# Altium PCB PCB12_sensor.PcbDoc (continued)
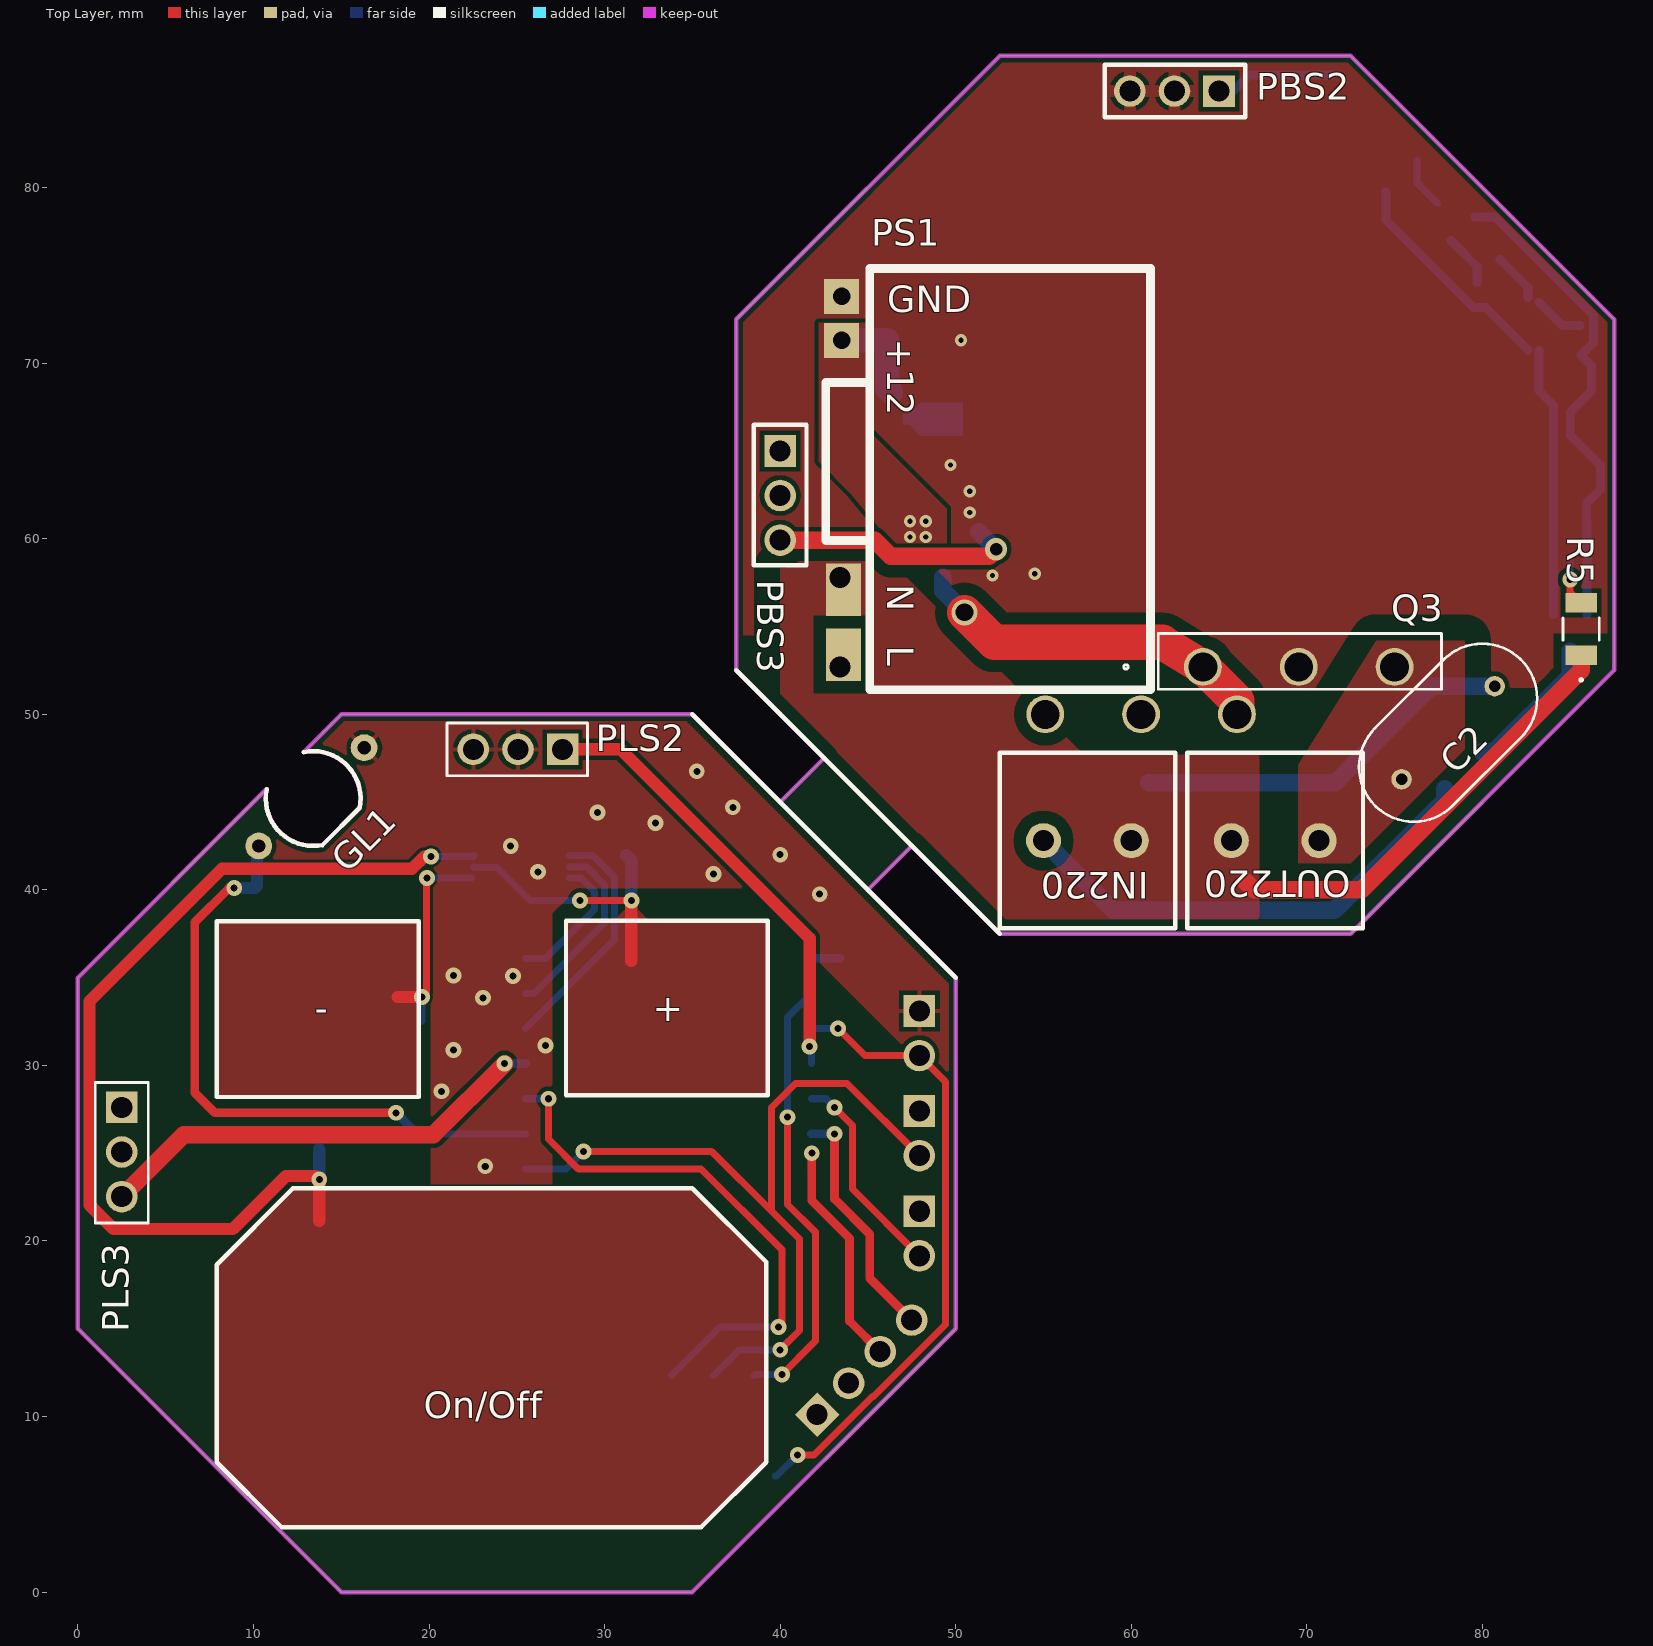
[diagram p0: Top Layer view]
## Via types
v1: diameter 0.9, hole 0.4, Top Layer to Bottom Layer, 38 vias
v2: diameter 0.7, hole 0.3, Top Layer to Bottom Layer, 10 vias
v3: diameter 1.27, hole 0.711, Top Layer to Bottom Layer, 1 vias
v4: diameter 1.5, hole 1, Top Layer to Bottom Layer, 1 vias

## Nets (pads, with @x,y where several pads share a name; then routed paths per layer and width w, separated by ;. In a path a pad name is that pad's centre, name@x,y a point inside that pad or via, vN(x,y) a via of type N, cw(c..) or ccw(c..) an arc to the next point about the centre after c; other vN are vias at no path point)
ADC: IC1.2 R16.1 R17.2 | length 4.6
  Bottom Layer w0.4: R16.1@20.875,26.1 R16.1 IC1.2
BTN_DEC: IC1.7 IC4.16 | length 7.9
  Bottom Layer w0.4: IC1.7 26.642,36.1 29.425,38.883 29.425,39.917 28.664,40.678 IC4.16
BTN_INC: IC1.6 IC4.15 | length 10.8
  Bottom Layer w0.4: IC1.6 25.975,34.1 30,38.125 30,40.275 28.963,41.312 IC4.15 IC4.15@27.987,41.271
BTN_ON: IC1.5 IC4.14 | length 13.8
  Bottom Layer w0.4: IC1.5 30.575,37.175 30.575,40.7 29.327,41.948 IC4.14
DETECT_LA: CR1.3 R1.2 | length 8.2
  Bottom Layer w1: R1.2 80.658,47.858 85,52.2 CR1.3
DETECT_NA: CR2.3 R5.2 | length 2.9
  Top Layer w0.4: v1(85,57.678) 85,56.971 R5.2
  Bottom Layer w0.4: v1(85,57.678) CR2.3
DETECT_NULL: IC1.13 PLS2.1 | length 25.7
  Top Layer w0.7: PLS2.1 30.912,48.005 41.677,37.24 v1(41.677,31.077)
  Bottom Layer w0.4: v1(41.677,31.077) 41.781,30.972 IC1.13@41.781,30.1
DETECT_NULLA: PBS2.1 U1.6 | length 6.8
  Bottom Layer w0.5: PBS2.1 65.8,85.5 66.717,86.417 U1.6
GND: C3.1 C4.1 C7.1 C9.1 C10.1 C11.1 GL1.2 IC1.9 IC4.4 IC4.9 IC4.10 MODE.1 PLS2.2 PLS2.3 PROG.1 R15.1 R17.1 RST.1 UART.2
  other v1: 23.2,24.25 20.7,28.525 21.4,30.875 26.625,31.125 23.075,33.85 24.775,35.1 21.4,35.125 42.25,39.75 36.2,40.9 26.2,41.025 40,42 24.65,42.5 32.9,43.8 29.6,44.4 37.3,44.7 35.25,46.75
GNDA: C5.1 C6.1 IC2.2 IC2.4 IC3.2 PBS2.2 PBS2.3 PS1.4 Q1.2 Q3.2 U1.4
  other v2: 52.1,57.9 54.5,58 50.8,61.5 50.8,62.7 49.7,64.2 50.3,71.3
L_IN: IN220.2 PS1.1 Q1.3 R1.1 R8.2 | length 27.7
  Bottom Layer w1: IN220.2 58.973,38.827 71.577,38.827 77.85,45.1 R1.1@77.85,45.75
L_OUT: C2.1 OUT220.1 Q3.3
LOAD_CNTRL: IC1.4 PLS3.3 | length 26.1
  Top Layer w1: PLS3.3 6.02,26.05 20.25,26.05 v1(24.3,30.1)
  Bottom Layer w0.5: v1(24.3,30.1) 25.5,30.1 IC1.4@25.5,30.094
LOAD_CNTRLA: IC2.3 PBS3.3 | length 14.3
  Top Layer w1: PBS3.3 45.376,59.92 46.3,58.996 51.896,58.996 v3(52.3,59.4)
  Bottom Layer w1: IC2.3@51.3,60.4 v3(52.3,59.4)
MODE: IC1.14 MODE.2 | length 12
  Top Layer w0.4: v1(43.1,27.6) 44.125,26.575 44.125,22.95 MODE.2
  Bottom Layer w0.4: IC1.14 42.6,28.1 v1(43.1,27.6)
N_IN: IN220.1 OUT220.2 PS1.2 R5.1 | length 25.4
  Top Layer w1: 66.5,40.5 67,40 73.123,40 85.625,52.502 R5.1
NetC1_1: C1.1 CR1.1 CR2.1 D3.2 R3.1 U1.3 | length 28.2
  Bottom Layer w0.5: U1.3 74.515,79.718 74.515,78.145 79.487,73.173 80.182,73.173 C1.1 ; C1.1@83.225,70.729 83.225,68.429 R3.1 84.05,67.604 D3.2 CR2.1 84.046,61.021 84.046,55.679 CR1.1
NetC1_2: C1.2 D2.1 R4.1 | length 5.7
  Bottom Layer w0.5: R4.1@81.004,75.904 82.6,74.308 C1.2 ; C1.2@83.225,73.475 84.551,72.149 D2.1@85.571,72.149
NetC2_2: C2.2 R8.1 | length 22
  Bottom Layer w1: R8.1 71.624,46.1 77.127,51.603 C2.2@80.703,51.603
NetC9_2: C9.2 IC4.1 | length 12.3
  Top Layer w0.4: v1(19.6,33.9) 19.85,34.15 19.85,40.675 v1(19.881,40.675)
  Top Layer w0.7: 18.2,33.9 v1(19.6,33.9)
  Bottom Layer w0.4: C9.2 19.6,32.525 v1(19.6,33.9) v1@19.575,33.875 ; v1(19.881,40.675) IC4.1@22.41,40.675
NetC10_2: C10.2 IC4.2 | length 15.9
  Top Layer w0.4: v1(28.6,39.4) v1(31.525,39.4)
  Top Layer w0.7: 31.525,35.95 v1(31.525,39.4)
  Bottom Layer w0.4: IC4.2 22.605,41.271 23.879,41.271 25.75,39.4 v1(28.6,39.4)
  Bottom Layer w0.7: C10.2@31.225,41.975 31.525,41.675 v1(31.525,39.4)
NetC11_2: C11.2 IC4.3 | length 56
  Top Layer w0.7: 13.75,21.15 v1(13.75,23.5) 13.55,23.7 11.85,23.7 8.825,20.675 2.025,20.675 0.652,22.048 0.652,33.652 8.2,41.2 19.027,41.2 19.732,41.905 v1(20.102,41.905)
  Bottom Layer w0.4: v1(20.102,41.905) 22.52,41.905 IC4.3
  Bottom Layer w0.7: v1(13.75,23.5) C11.2 C11.2@13.75,25.225
NetCR1_2: CR1.2 CR2.2 D2.2 D3.3 Q2.1 R3.2 | length 28.2
  Bottom Layer w0.5: Q2.1 80.72,78.33 86.325,72.725 86.325,71.176 D2.2 86.221,69.83 R3.2 85,67.204 D3.3 85.012,65.888 86.733,64.166 86.733,62.834 85.95,62.051 CR2.2 85.954,61.021 85.954,55.679 CR1.2
NetGL1_1: GL1.1 R16.2 R18.1 | length 30.3
  Top Layer w0.5: v1(8.9,40.1) 8.6,40.1 6.65,38.15 6.65,28.45 7.8,27.3 v1(18.125,27.3) ; GL1.1 GL1.1@10.58,42.78
  Bottom Layer w0.5: R18.1@10.075,40.1 R18.1@10.2,40.225 ; GL1.1@10.2,42.4 GL1.1 ; v1(18.125,27.3) 19.025,26.4 R16.2@19.025,26.1
  Bottom Layer w0.7: v1(8.9,40.1) R18.1@10.075,40.1 ; R18.1@10.2,40.225 GL1.1@10.2,42.4
NetIC1_3: IC1.3 R11.1 | length 31.2
  Top Layer w0.4: v1(26.8,28.1) 26.8,25.8 28.5,24.1 35.5,24.1 40.1,19.5 40.1,15.3 v1(39.9,15.1)
  Bottom Layer w0.4: IC1.3 v1(26.8,28.1) ; R11.1 36.575,15.1 v1(39.9,15.1)
NetIC1_10: IC1.10 R15.2 | length 1.6
  Bottom Layer w0.5: IC1.10 R15.2@43.404,36.1
NetIC1_11: IC1.11 R14.1 | length 25.3
  Top Layer w0.4: v1(40.1,12.4) 42,14.3 42,20.5 40.425,22.075 v1(40.425,27.05)
  Bottom Layer w0.4: R14.1@38.5,12.325 38.575,12.4 v1(40.1,12.4) ; v1(40.425,27.05) 40.425,32.74 40.452,32.767 40.45,32.769 IC1.11
NetIC2_5: IC2.5 Q1.1 Q3.1 | length 20.7
  Top Layer w2: v4(50.5,55.8) 52.2,54.1 61.777,54.1 Q3.1 66.02,50.76 Q1.1
  Bottom Layer w1: IC2.5 49.25,57.05 v4(50.5,55.8)
NetQ2_2: Q2.2 R4.2 | length 3
  Bottom Layer w0.5: Q2.2 79.696,75.507 R4.2@79.696,74.596
NetQ2_3: Q2.3 U1.1 | length 2.9
  Bottom Layer w0.4: U1.1 76.275,80.275 Q2.3
PROG: IC1.12 PROG.2 R13.1 | length 36
  Top Layer w0.4: v1(41,7.8) 41.921,7.8 45.254,11.133 45.311,11.133 49.419,15.241 49.419,29.066 PROG.2 44.84,30.56 v1(43.3,32.1)
  Bottom Layer w0.4: R13.1@39.7,6.6 39.8,6.6 v1(41,7.8) ; IC1.12 v1(43.3,32.1)
RST: IC1.1 R12.1 RST.2 | length 45.9
  Top Layer w0.4: v1(28.8,25.1) 36.1,25.1 39.5,21.7 ; v1(40,13.8) 41.1,14.9 41.1,20.1 39.5,21.7 ; RST.2 43.81,28.975 40.875,28.975 39.5,27.6 39.5,21.7
  Bottom Layer w0.4: IC1.1 27.8,24.1 v1(28.8,25.1) ; R12.1@36.2,12.325 37.675,13.8 v1(40,13.8)
RX: IC1.15 UART.4 | length 13.7
  Top Layer w0.5: v1(43.1,26.1) 43.1,22.387 45.1,20.387 45.1,17.884 UART.4
  Bottom Layer w0.5: IC1.15 v1(43.1,26.1)
TX: IC1.16 UART.3 | length 13.8
  Top Layer w0.5: v1(41.8,25) 41.8,22.3 43.95,20.15 43.95,15.442 UART.3
  Bottom Layer w0.5: IC1.16 41.8,24.119 v1(41.8,25)
VCC3.3: C3.2 C4.2 C7.2 IC1.8 IC4.5 IC4.6 PLS3.1 PLS3.2 R11.2 R12.2 R13.2 R14.2 R18.2 UART.1
VCCA3.3: C5.2 IC3.1 PBS3.1 PBS3.2
VCCA12: C6.2 IC2.1 IC3.3 PS1.3 | length 5.6
  Bottom Layer w1.4: PS1.3 C6.2 46.104,68.574 IC3.3
  other v2: 47.4,60.1 48.3,60.1 47.4,61 48.3,61
pads on no net: D3.1 IC4.7 IC4.8 IC4.11 IC4.12 IC4.13

## Polygon pours and split planes (outlines as drawn)
VCCA12 on Bottom Layer "Bottom VCCA12" (solid, pour order 70): 49.6,60.9 48.9,60.9 48.4,61.4 46.965,61.403 46.965,59.665 48.665,59.665 48.9,59.9 49.6,59.9
GNDA on Bottom Layer "Bottom GNDA" (solid, pour order 68): 71.275,86.75 71.275,75.125 78.977,67.423 78.977,54.602 71.275,46.9 44.6,46.9 37.5,54 37.5,72.5 52.5,87.5 63.25,87.5 64,86.75
L_IN on Bottom Layer "Bottom L_IN" (solid, pour order 62): 51.6,51 56.5,51 56.5,41.7 56.5,41.5 51.5,41.5 50,41.5 42.5,49 42.5,53.6 46,53.6 51.6,48 51.6,48.1
VCCA3.3 on Bottom Layer "Bottom VCCA3.3" (solid, pour order 42): 39,66 39,61.5 40.9,61.5 47.2,61.5 47.2,63.4 47.2,65.5 45.6,65.5 45.6,64.5
VCCA12 on Bottom Layer "Bottom VCCA12" (solid, pour order 56): 49.6,62.9 49.2,62.9 48.7,63.4 47,63.4 47,61.7 49.6,61.7 49.6,61.9
VCC3.3 on Bottom Layer "BOTTOM_VCC3.3" (solid, pour order 74): 0,15 15,0 35,0 44.15,9.15 42.161,11.139 33.139,11.139 27.8,5.8 17.088,5.8 7.025,15.863 7.025,33.831 15.731,33.831 18.5,36.6 24.917,36.6 26.2,37.738 26.2,38.384 24.434,40.15 21.45,40.15 21.45,42.975 23.325,42.975 23.325,44.075 20.35,44.075 15.96,44.075 11.035,39.15 4.15,39.15 0,35
GND on Bottom Layer "BOOTOM_GND" (solid, pour order 114): 15,50 34.5,50 50,34.5 50,15 35,0 15,0 5.5,9.5 3.75,11.25 3.75,38.75
GND on Top Layer "TOP_GND" (solid, pour order 116): 15,50 34.5,50 34.5,49.75 50,34.25 50,28.1 38,40.1 28.475,40.1 27.031,38.656 27.031,23.225 20.1,23.225 20.1,39.6 18.075,41.625 6.625,41.625
NetC9_2 on Top Layer "btn" (solid, pour order 108): 19.3,38.196 19.3,28.3 7.811,28.3 7.811,38.196 13.096,38.196 15.704,38.196
NetC10_2 on Top Layer "btn" (solid, pour order 106): 27.8,38.25 30.525,38.25 31.175,38.9 31.875,38.9 32.525,38.25 39.362,38.25 39.362,35 39.362,28.3 27.8,28.3
NetC11_2 on Top Layer "btn" (solid, pour order 90): 39.2,18.7 34.899,23.001 12.101,23.001 7.8,18.7 7.8,16.37 7.8,7.212 11.337,3.675 35.475,3.675 39.2,7.4
GNDA on Top Layer "Top GNDA" (solid, pour order 66): 72.5,87.5 87.5,72.5 87.5,52.5 86.5,51.5 64.697,51.5 61.1,54.511 37.5,54.511 37.5,72.5 52.5,87.5
L_OUT on Top Layer "Top L_OUT" (solid, pour order 64): 73.952,54.2 79,54.2 79,48 72.5,41.5 69.5,41.5 69.5,47.125
VCCA12 on Top Layer "Top VCCA12" (solid, pour order 36): 42.2,72.3 44.9,72.3 44.9,70 44.9,66.3 48.6,62.6 49.5,61.7 49.5,60.9 49.5,59.6 48.2,59.6 46.5,59.6 44,62.6 42.2,64.4
N_IN on Top Layer "Top N_IN" (solid, pour order 60): 67.289,47.7 57.3,47.7 45.6,59.4 40,59.4 40,51.1 53.8,37.3 67.3,37.3

## Keep-outs
Keep-Out Layer:
  lines w0.254: 37.5,52.5 42.5,47.5 40,45 35,50 15,50 15,49.982 12.87,47.852 cw(c13.374,45.178) 16.048,44.67 13.93,42.552 cw(c13.416,45.22) 10.748,45.73 10.73,45.73 0,35 0,15 11.875,3.125 15,0 35,0 50,15 50,35 ; 37.5,52.5 37.5,52.5 ; 37.5,52.5 37.5,72.5 52.5,87.5 72.5,87.5 87.5,72.5 87.5,52.5 72.5,37.5 52.5,37.5 ; 50,35 45,40 47.5,42.5 52.5,37.5 ; 50,35 50,35 ; 52.5,37.5 52.5,37.5 ; 52.5,37.5 52.5,37.5

## Silkscreen, mask and mechanical layers (free items; w line width, h text height)
Top Overlay:
  lines w0.254: 7.9,17.3 7.9,18.65 12.25,23 35,23 39.2,18.8 39.2,17.4 39.2,11.7 39.2,7.4 35.5,3.7 12.2,3.7 11.6,3.7 7.9,7.4 7.9,11.7 7.9,17.4 ; 35,50 50,35 ; 37.5,52.5 52.5,37.5 ; 7.9,28.2 7.9,38.2 19.4,38.2 19.4,28.2 7.9,28.2 ; 27.8,28.3 27.8,38.25 39.3,38.25 39.3,28.3 27.8,28.3
  text "-" at 13.5,32.5 h1.52
  text "+" at 32.75,32.5 h1.52
  text "On/Off" at 19.7,9.9 h1.52
Top Solder:
  lines w0.254: 58.75,42.25 58.75,41 59.75,40 65.75,40 66,40 67,41 67,42.5 ; 59.25,41.75 59.25,41.25 60,40.5 65.75,40.5 66.5,41.25 66.5,41.75 ; 60.5,41.5 65.25,41.5 ; 60.5,44 60.75,44 65,44 ; 61,42 64.5,42 ; 61.4,43.5 64.5,43.5 ; 61.5,42.5 64,42.5 64.25,42.5 ; 61.5,43 64,43 64.25,43 ; 66,41.5 65.5,41 60.25,41 59.75,41.5 ; 70,44 73.75,47.75 73.75,51.487 ; 70,44.75 73.25,48 73.25,53.5 ; 70,45.75 72.75,48.5 72.75,53.5 ; 70,46.75 72.25,49 72.25,53.5 ; 71,44.25 74.25,47.5 74.25,51.048 ; 71.5,44 74.75,47.25 74.75,50.946 ; 71.75,42 72.5,42 76.25,45.75 76.8,46.3 76.8,52.8 ; 71.925,43.675 74.5,46.25 ; 72.2,43.2 74.6,45.6 ; 72.25,42.5 74.962,45.212 ; 75.25,47.15 75.25,51 ; 75.75,47.275 75.75,51.25 ; 77.25,47 77.25,53.25 ; 77.75,47.5 77.75,53.25 ; 78.25,48.25 78.25,48.5 78.25,53.25 ; 78.75,48.5 78.75,53.25 ; 59.75,41.5 59.75,41.5 ; 74.5,46.25 74.5,46.25 ; 74.962,45.212 74.962,45.213
Bottom Solder:
  lines w0.254: 53,43.25 53,49.75 53.5,50.25 ; 53.5,49.5 53.5,43.5 53.75,43.25 ; 53.75,42.25 53.25,42.25 52.5,43 52.5,43.25 52.5,46.75 52.5,50 53.25,50.75 53.75,50.75 ; 54,43.75 54,44 54,49 ; 56,43.75 56.25,44 56.25,48.75
Mechanical 7:
  text "0" at 941.505,612.095 h7.68
  text "4" at 952.038,612.095 h7.68
  text "8" at 961.59,612.095 h7.68
  text "12" at 970.858,612.095 h7.68
  text "16" at 981.075,612.095 h7.68
  text "20" at 989.77,612.095 h7.68
  text "24" at 1000.25,612.095 h7.68
  text "28" at 1009.855,612.095 h7.68
  text "32" at 1019.962,612.095 h7.68
  text "36" at 1030.179,612.095 h7.68
  text "40" at 1039.948,612.095 h7.68
  text "44" at 1050.428,612.095 h7.68
  text "48" at 1060.033,612.095 h7.68
  text "52" at 1069.962,612.095 h7.68
  text "56" at 1080.179,612.095 h7.68
  text "60" at 1089.895,612.095 h7.68
  text "64" at 1100.374,612.095 h7.68
  text "68" at 1109.98,612.095 h7.68
  text "0" at 935.71,605.397 h7.68
  text "68" at 509.36,598.497 h7.68
  text "4" at 936.776,595.397 h7.68
  text "64" at 510.149,588.497 h7.68
  text "8" at 935.88,585.397 h7.68
  text "60" at 509.189,578.497 h7.68
  text "12" at 934.416,575.397 h7.68
  text "56" at 509.758,568.497 h7.68
  text "16" at 934.849,565.397 h7.68
  text "52" at 509.324,558.497 h7.68
  text "20" at 932.24,555.397 h7.68
  text "48" at 509.466,548.497 h7.68
  text "24" at 933.2,545.397 h7.68
  text "44" at 510.256,538.497 h7.68
  text "28" at 932.411,535.397 h7.68
  text "40" at 509.296,528.497 h7.68
  text "32" at 932.624,525.397 h7.68
  text "36" at 509.758,518.497 h7.68
  text "36" at 933.058,515.397 h7.68
  text "32" at 509.324,508.497 h7.68
  text "40" at 932.596,505.397 h7.68
  text "28" at 509.111,498.497 h7.68
  text "44" at 933.556,495.397 h7.68
  text "24" at 509.9,488.497 h7.68
  text "48" at 932.766,485.397 h7.68
  text "20" at 508.94,478.497 h7.68
  text "52" at 932.624,475.397 h7.68
  text "16" at 511.549,468.497 h7.68
  text "56" at 933.058,465.397 h7.68
  text "12" at 511.116,458.497 h7.68
  text "60" at 932.489,455.397 h7.68
  text "8" at 512.58,448.497 h7.68
  text "64" at 933.449,445.397 h7.68
  text "4" at 513.476,438.497 h7.68
  text "68" at 932.66,435.397 h7.68
  text "0" at 512.41,428.497 h7.68
  text "0" at 518.205,421.8 h7.68
  text "4" at 528.738,421.8 h7.68
  text "8" at 538.29,421.8 h7.68
  text "12" at 547.558,421.8 h7.68
  text "16" at 557.775,421.8 h7.68
  text "20" at 566.47,421.8 h7.68
  text "24" at 576.95,421.8 h7.68
  text "28" at 586.555,421.8 h7.68
  text "32" at 596.662,421.8 h7.68
  text "36" at 606.879,421.8 h7.68
  text "40" at 616.648,421.8 h7.68
  text "44" at 627.128,421.8 h7.68
  text "48" at 636.733,421.8 h7.68
  text "52" at 646.662,421.8 h7.68
  text "56" at 656.879,421.8 h7.68
  text "60" at 666.595,421.8 h7.68
  text "64" at 677.074,421.8 h7.68
  text "68" at 686.68,421.8 h7.68
Mechanical 8:
  rectangle: 1109.48,611.595 1117.12,617.6
  rectangle: 1099.874,611.595 1106.726,617.6
  rectangle: 1089.395,611.595 1097.205,617.6
  rectangle: 1079.679,611.595 1086.921,617.6
  rectangle: 1069.462,611.595 1077.138,617.6
  rectangle: 1059.533,611.595 1067.067,617.6
  rectangle: 1049.928,611.595 1056.672,617.6
  rectangle: 1039.448,611.595 1047.152,617.6
  rectangle: 1029.679,611.595 1036.921,617.6
  rectangle: 1019.462,611.595 1027.138,617.6
  rectangle: 1009.355,611.595 1017.245,617.6
  rectangle: 999.75,611.595 1006.85,617.6
  rectangle: 989.27,611.595 997.33,617.6
  rectangle: 980.575,611.595 986.025,617.6
  rectangle: 970.358,611.595 976.242,617.6
  rectangle: 961.09,611.595 965.51,617.6
  rectangle: 951.538,611.595 955.062,617.6
  rectangle: 941.005,611.595 945.595,617.6
  rectangle: 935.21,604.897 939.8,610.903
  rectangle: 932.16,434.897 939.8,440.903
  rectangle: 932.949,444.897 939.8,450.903
  rectangle: 931.989,454.897 939.8,460.903
  rectangle: 932.558,464.897 939.8,470.903
  rectangle: 932.124,474.897 939.8,480.903
  rectangle: 932.266,484.897 939.8,490.903
  rectangle: 933.056,494.897 939.8,500.903
  rectangle: 932.096,504.897 939.8,510.903
  rectangle: 932.558,514.897 939.8,520.903
  rectangle: 932.124,524.897 939.8,530.903
  rectangle: 931.911,534.897 939.8,540.903
  rectangle: 932.7,544.897 939.8,550.903
  rectangle: 931.74,554.897 939.8,560.903
  rectangle: 934.349,564.897 939.8,570.903
  rectangle: 933.916,574.897 939.8,580.903
  rectangle: 935.38,584.897 939.8,590.903
  rectangle: 936.276,594.897 939.8,600.903
  rectangle: 686.18,421.3 693.82,427.305
  rectangle: 676.574,421.3 683.426,427.305
  rectangle: 666.095,421.3 673.905,427.305
  rectangle: 656.379,421.3 663.621,427.305
  rectangle: 646.162,421.3 653.838,427.305
  rectangle: 636.233,421.3 643.767,427.305
  rectangle: 626.628,421.3 633.372,427.305
  rectangle: 616.148,421.3 623.852,427.305
  rectangle: 606.379,421.3 613.621,427.305
  rectangle: 596.162,421.3 603.838,427.305
  rectangle: 586.055,421.3 593.945,427.305
  rectangle: 576.45,421.3 583.55,427.305
  rectangle: 565.97,421.3 574.03,427.305
  rectangle: 557.275,421.3 562.725,427.305
  rectangle: 547.058,421.3 552.942,427.305
  rectangle: 537.79,421.3 542.21,427.305
  rectangle: 528.238,421.3 531.762,427.305
  rectangle: 517.705,421.3 522.295,427.305
  rectangle: 508.86,597.997 516.5,604.003
  rectangle: 509.649,587.997 516.5,594.003
  rectangle: 508.689,577.997 516.5,584.003
  rectangle: 509.258,567.997 516.5,574.003
  rectangle: 508.824,557.997 516.5,564.003
  rectangle: 508.966,547.997 516.5,554.003
  rectangle: 509.756,537.997 516.5,544.003
  rectangle: 508.796,527.997 516.5,534.003
  rectangle: 509.258,517.997 516.5,524.003
  rectangle: 508.824,507.997 516.5,514.003
  rectangle: 508.611,497.997 516.5,504.003
  rectangle: 509.4,487.997 516.5,494.003
  rectangle: 508.44,477.997 516.5,484.003
  rectangle: 511.049,467.997 516.5,474.003
  rectangle: 510.616,457.997 516.5,464.003
  rectangle: 512.08,447.997 516.5,454.003
  rectangle: 512.976,437.997 516.5,444.003
  rectangle: 511.91,427.997 516.5,434.003
  region: 29.787,630.2 29.129,635.2 29.868,633.415 30.359,629.701 29.219,629.7 29.219,630.632
  region: 28.471,630.2 29.129,635.2 28.39,633.415 27.899,629.701 29.039,629.7 29.039,630.632
  region: 28.471,465.3 29.129,460.3 28.39,462.085 27.899,465.799 29.039,465.8 29.039,464.868
  region: 29.787,465.3 29.129,460.3 29.868,462.085 30.359,465.799 29.219,465.8 29.219,464.868
  region: 202.8,437.058 207.8,436.4 206.015,437.139 202.301,437.63 202.3,436.49 203.232,436.49
  region: 202.8,435.742 207.8,436.4 206.015,435.661 202.301,435.17 202.3,436.31 203.232,436.31
  region: 37.8,435.742 32.8,436.4 34.585,435.661 38.299,435.17 38.3,436.31 37.368,436.31
  region: 37.8,437.058 32.8,436.4 34.585,437.139 38.299,437.63 38.3,436.49 37.368,436.49
Mechanical 9:
  drawing of 300 lines, arcs and shapes, not listed
  text "87,5" at 27.8,553.3 h7.68 r90
  text "87,5" at 114.801,438.93 h7.68
Mechanical 11:
  drawing of 365 lines, arcs and shapes, not listed
Mechanical 12:
  drawing of 6425 lines, arcs and shapes, not listed
  text "Вид платы снизу" at 988.2,623.8 h15.36
  text "Слой маркировки сверху" at 1374.5,612 h15.36
  text "Вид платы сверху" at 554.7,611.4 h15.36
  text "Слой маркировки снизу" at 1806.3,608.3 h15.36
  text "bot4" at 943.3,607.9 h0.1
  text "boo4" at 1776.9,601.6 h0.1
  text "PBS2" at 1497.74,598.8 h3.05
  text "tab" at 242,590.1 h0.1
  text "R13" at 1855.3,585.4 h3.05 r135
  text "PS1" at 1453.9,582.2 h3.05
  text "Обозначение" at 245.2,582.1 h7.68
  text "Диаметр отв.," at 281.3,582.1 h7.68
  text "Наличие" at 326.64,582.1 h7.68
  text "Кол." at 361.27,582.1 h7.68
  text "R11" at 1832.3,575 h3.05 r90
  text "R12" at 1836.5,575 h3.05 r90
  text "R14" at 1840.9,575 h3.05 r90
  text "отв." at 256,574.9 h7.68
  text "мм" at 295.53,574.9 h7.68
  text "металлизации" at 318.8,574.9 h7.68
  text "отв." at 361,574.9 h7.68
  text "GND" at 1455.7,574.6 h3.05
  text "+12" at 1455.7,571.6 h3.05 r270
  text "UART" at 1867.1,569.6 h3.05 r135
  text "есть" at 330.9,565.312 h7.68
  text "0,3max" at 289,565.021 h7.68
  text "-переходное" at 248,564.637 h7.68
  text "10" at 363.544,564.597 h7.68
  text "IC1" at 1829.7,561.999 h3.05
  text "есть" at 330.9,555.312 h7.68
  text "MODE" at 1868.7,555.2 h3.05 r90
  text "0,4max" at 289,555.021 h7.68
  text "-переходное" at 248,554.637 h7.68
  text "38" at 362.733,554.597 h7.68
  text "R17" at 1825.1,551.6 h3.05 r90
  text "R5" at 1533.15,549.1 h3.05 r270
  text "R16" at 1820.5,546.6 h3.05 r180
  text "C11" at 1801.5,546 h3.05 r90
  text "RST" at 1868.3,545.8 h3.05 r90
  text "есть" at 330.9,545.312 h7.68
  text "0,71max" at 289,545.021 h7.68
  text "-переходное" at 248,544.637 h7.68
  text "1" at 365.026,544.597 h7.68
  text "PBS3" at 1440.9,544.12 h3.05 r270
  text "N" at 1455.7,543.6 h3.05 r270
  text "Q3" at 1513.1,539.4 h3.05
  text "C9" at 1814.3,538 h3.05 r180
  text "L" at 1455.7,536.6 h3.05 r270
  text "есть" at 330.9,535.312 h7.68
  text "1,0max" at 290.4,535.021 h7.68
  text "-переходное" at 248,534.637 h7.68
  text "1" at 365.026,534.597 h7.68
  text "PROG" at 1868.4,533.1 h3.05 r90
  text "C7" at 1819.9,525.8 h3.05 r90
  text "есть" at 330.9,525.312 h7.68
  text "0,66" at 289,525.021 h7.68
  text "2" at 364.095,524.597 h7.68
  text "PLS2" at 1422.5,524.6 h3.05
  text "R15" at 1870.1,523.8 h3.05 r90
  text "-0,13" at 298,522.626 h4.6
  text "C2" at 1520.493,521.793 h3.05 r45
  text "IC4" at 1822.7,520 h3.05 r180
  text "R18" at 1802.9,518.4 h3.05 r90
  text "есть" at 330.9,515.312 h7.68
  text "0,76" at 289,515.021 h7.68
  text "2" at 364.095,514.597 h7.68
  text "-0,13" at 298,512.626 h4.6
  text "R8" at 1901.7,511.4 h3.05 r270
  text "OUT220" at 1508.52,510.965 h3.05 r180
  text "IN220" at 1485.5,510.8 h3.05 r180
  text "GL1" at 1394.2,510.55 h3.05 r45
  text "C10" at 1840.795,509.406 h3.05 r180
  text "Q1" at 1913.9,508.6 h3.05 r180
  text "+0,12" at 298,508.286 h4.6
  text "C4" at 1819.9,506.4 h3.05 r180
  text "C3" at 1813.3,506.2 h3.05 r180
  text "есть" at 330.9,505.312 h7.68
  text "1,0" at 290.4,505.021 h7.68
  text "2" at 364.095,504.597 h7.68
  text "R1" at 1934.134,504.323 h3.05 r135
  text "+0,05" at 298,498.286 h4.6
  text "есть" at 330.9,495.312 h7.68
  text "1,2" at 290.4,495.021 h7.68
  text "28" at 362.555,494.597 h7.68
  text "-" at 1390.5,493.8 h3.05
  text "+" at 1429,493.8 h3.05
  text "CR1" at 1936.9,493.8 h3.05 r270
  text "-0,18" at 297.2,492.626 h4.6
  text "+0,05" at 298,488.286 h4.6
  text "есть" at 330.9,485.312 h7.68
  text "1,65" at 290.4,485.021 h7.68
  text "CR2" at 1937.1,485 h3.05 r270
  text "6" at 364.436,484.597 h7.68
  text "IC2" at 1873.3,483.8 h3.05 r90
  text "-0,18" at 297.2,482.626 h4.6
  text "D3" at 1938.8,475 h3.05 r270
  text "C5" at 1862.5,474.8 h3.05
  text "IC3" at 1862.7,472 h3.05 r270
  text "R3" at 1935.3,468.2 h3.05 r270
  text "D2" at 1935.3,461.4 h3.05 r270
  text "C1" at 1930.7,460.8 h3.05 r270
  text "osn4" at 33.1,460.3 h0.1
  text "PLS3" at 1369.3,458.4 h3.05 r90
  text "R4" at 1933.5,455.6 h3.05 r225
  text "*" at 1949.37,455 h2.54 r90
  text "C6" at 1871.3,452.6 h3.05
  text "Q2" at 1927.9,450.2 h3.05 r225
  text "sb14" at 32.8,449 h0.1
  text "On/Off" at 1402.9,448.6 h3.05
  text "U1" at 1916.599,440.626 h3.05 r225
  text "*" at 1926.499,437.656 h2.54 r225
  text "top4" at 520,431 h0.1
  text "too4" at 1363.5,428.8 h0.1
  text "1,5±0,14*" at 1.8,421 h7.68 r90
Mechanical 13:
  drawing of 197 lines, arcs and shapes, not listed
  text "Rz 160 (" at 331.337,644.682 h10.75
  text ")" at 370.323,644.682 h10.75
  text "Перв. примен." at -17.729,620.844 h5.38 r90
  text "Справ. №" at -17.729,563.957 h5.38 r90
  text "Подп. и дата" at 402.24,491.45 h5.38 r90
  text "Подп. и дата" at 822.24,491.45 h5.38 r90
  text "Подп. и дата" at 1242.24,491.45 h5.38 r90
  text "Подп. и дата" at 1662.24,491.45 h5.38 r90
  text "Подп. и дата" at -17.729,491.031 h5.38 r90
  text "Инв. № дубл." at 402.24,462.36 h5.38 r90
  text "Инв. № дубл." at 822.24,462.36 h5.38 r90
  text "Инв. № дубл." at 1242.24,462.36 h5.38 r90
  text "Инв. № дубл." at 1662.24,462.36 h5.38 r90
  text "Инв. № дубл." at -17.729,461.946 h5.38 r90
  text "Взам. инв. №" at 402.24,436.63 h5.38 r90
  text "Взам. инв. №" at 822.24,436.63 h5.38 r90
  text "Взам. инв. №" at 1242.24,436.63 h5.38 r90
  text "Взам. инв. №" at 1662.24,436.63 h5.38 r90
  text "Взам. инв. №" at -17.729,436.216 h5.38 r90
  text "Лит." at 338.638,410.771 h5.38
  text "Масса" at 352.658,410.771 h5.38
  text "Масштаб" at 367.527,410.771 h5.38
  text "Подп. и дата" at 402.24,406.45 h5.38 r90
  text "Подп. и дата" at 822.24,406.45 h5.38 r90
  text "Подп. и дата" at 1242.24,406.45 h5.38 r90
  text "Подп. и дата" at 1662.24,406.45 h5.38 r90
  text "Изм." at 200.637,405.771 h5.38
  text "Лист" at 207.625,405.771 h5.38
  text "№ докум." at 220.749,405.771 h5.38
  text "Подп." at 243.175,405.771 h5.38
  text "Дата" at 255.625,405.771 h5.38
  text "Плата" at 288.555,403.981 h10.75
  text "Разраб." at 200.527,400.771 h5.38
  text "Наумов" at 217.674,400.67 h5.38
  text "14 г" at 353.717,399.967 h7.69
  text "2:1" at 372.342,399.967 h7.69
  text "Пров." at 200.527,395.771 h5.38
  text "Некрасов" at 217.674,395.67 h5.38
  text "печатная" at 282.82,393.981 h10.75
  text "Т.контр." at 200.527,390.771 h5.38
  text "Лист" at 336.436,390.771 h5.38
  text "1" at 349.527,390.771 h5.38
  text "Листов" at 357.479,390.771 h5.38
  text "5" at 377.377,390.771 h5.38
  text "Нач. отд." at 200.527,385.771 h5.38
  text "Лист" at 795.599,384.692 h5.38
  text "Лист" at 1215.599,384.692 h5.38
  text "Лист" at 1635.599,384.692 h5.38
  text "Лист" at 2055.599,384.692 h5.38
  text "Н.контр." at 200.527,380.771 h5.38
  text "НИЯУ МИФИ" at 338.324,378.967 h10.75
  text "Инв. № подл." at 402.24,377.36 h5.38 r90
  text "Инв. № подл." at 822.24,377.36 h5.38 r90
  text "Инв. № подл." at 1242.24,377.36 h5.38 r90
  text "Инв. № подл." at 1662.24,377.36 h5.38 r90
  text "2" at 798.666,377.25 h5.38
  text "3" at 1218.843,377.25 h5.38
  text "4" at 1639.117,377.25 h5.38
  text "5" at 2058.691,377.25 h5.38
  text "Инв. № подл." at -17.729,376.946 h5.38 r90
  text "Утв." at 200.527,375.771 h5.38
  text "Изм." at 620.463,375.692 h5.38
  text "Лист" at 627.599,375.692 h5.38
  text "№ докум." at 640.7,375.692 h5.38
  text "Подп." at 663.14,375.692 h5.38
  text "Дата" at 675.599,375.692 h5.38
  text "Изм." at 1040.463,375.692 h5.38
  text "Лист" at 1047.599,375.692 h5.38
  text "№ докум." at 1060.7,375.692 h5.38
  text "Подп." at 1083.14,375.692 h5.38
  text "Дата" at 1095.599,375.692 h5.38
  text "Изм." at 1460.463,375.692 h5.38
  text "Лист" at 1467.599,375.692 h5.38
  text "№ докум." at 1480.7,375.692 h5.38
  text "Подп." at 1503.14,375.692 h5.38
  text "Дата" at 1515.599,375.692 h5.38
  text "Изм." at 1880.463,375.692 h5.38
  text "Лист" at 1887.599,375.692 h5.38
  text "№ докум." at 1900.7,375.692 h5.38
  text "Подп." at 1923.14,375.692 h5.38
  text "Дата" at 1935.599,375.692 h5.38
  text "Некрасов" at 217.674,375.67 h5.38
  text "Копировал" at 275.527,370.771 h5.38
  text "Формат" at 345.527,370.771 h5.38
  text "A3" at 365.527,370.771 h5.38
  text "A3" at 785.373,370.771 h5.37
  text "A3" at 1205.373,370.771 h5.37
  text "A3" at 1625.373,370.771 h5.37
  text "A3" at 2045.373,370.771 h5.37
  text "Копировал" at 695.373,370.692 h5.38
  text "Формат" at 765.373,370.692 h5.38
  text "Копировал" at 1115.373,370.692 h5.38
  text "Формат" at 1185.373,370.692 h5.38
  text "Копировал" at 1535.373,370.692 h5.38
  text "Формат" at 1605.373,370.692 h5.38
  text "Копировал" at 1955.373,370.692 h5.38
  text "Формат" at 2025.373,370.692 h5.38

## Text inside footprints (layer, text, board x,y; h text height)
D2: Bottom Overlay "*" at 86.235,73.3 h1.27 r90
PS1: Top Overlay "GND" at 46.1,72.9 h1.52; Top Overlay "+12" at 46.1,71.4 h1.52 r270; Top Overlay "N" at 46.1,57.4 h1.52 r270; Top Overlay "L" at 46.1,53.9 h1.52 r270
U1: Bottom Overlay "*" at 74.799,81.972 h1.27 r315